# Altium PCB WL-MAIN_V1.PcbDoc (part 3 of 3)
Units mm, origin at the board's own origin, x right, y up, seen from the top; angles counter-clockwise.
Board outline 144 x 83.65 mm, 4 copper layers (Top Layer, Layer 1, Layer 2, Bottom Layer), stack 1.57 mm thick; 368 components, 306 nets, 1425 pads, 343 vias.
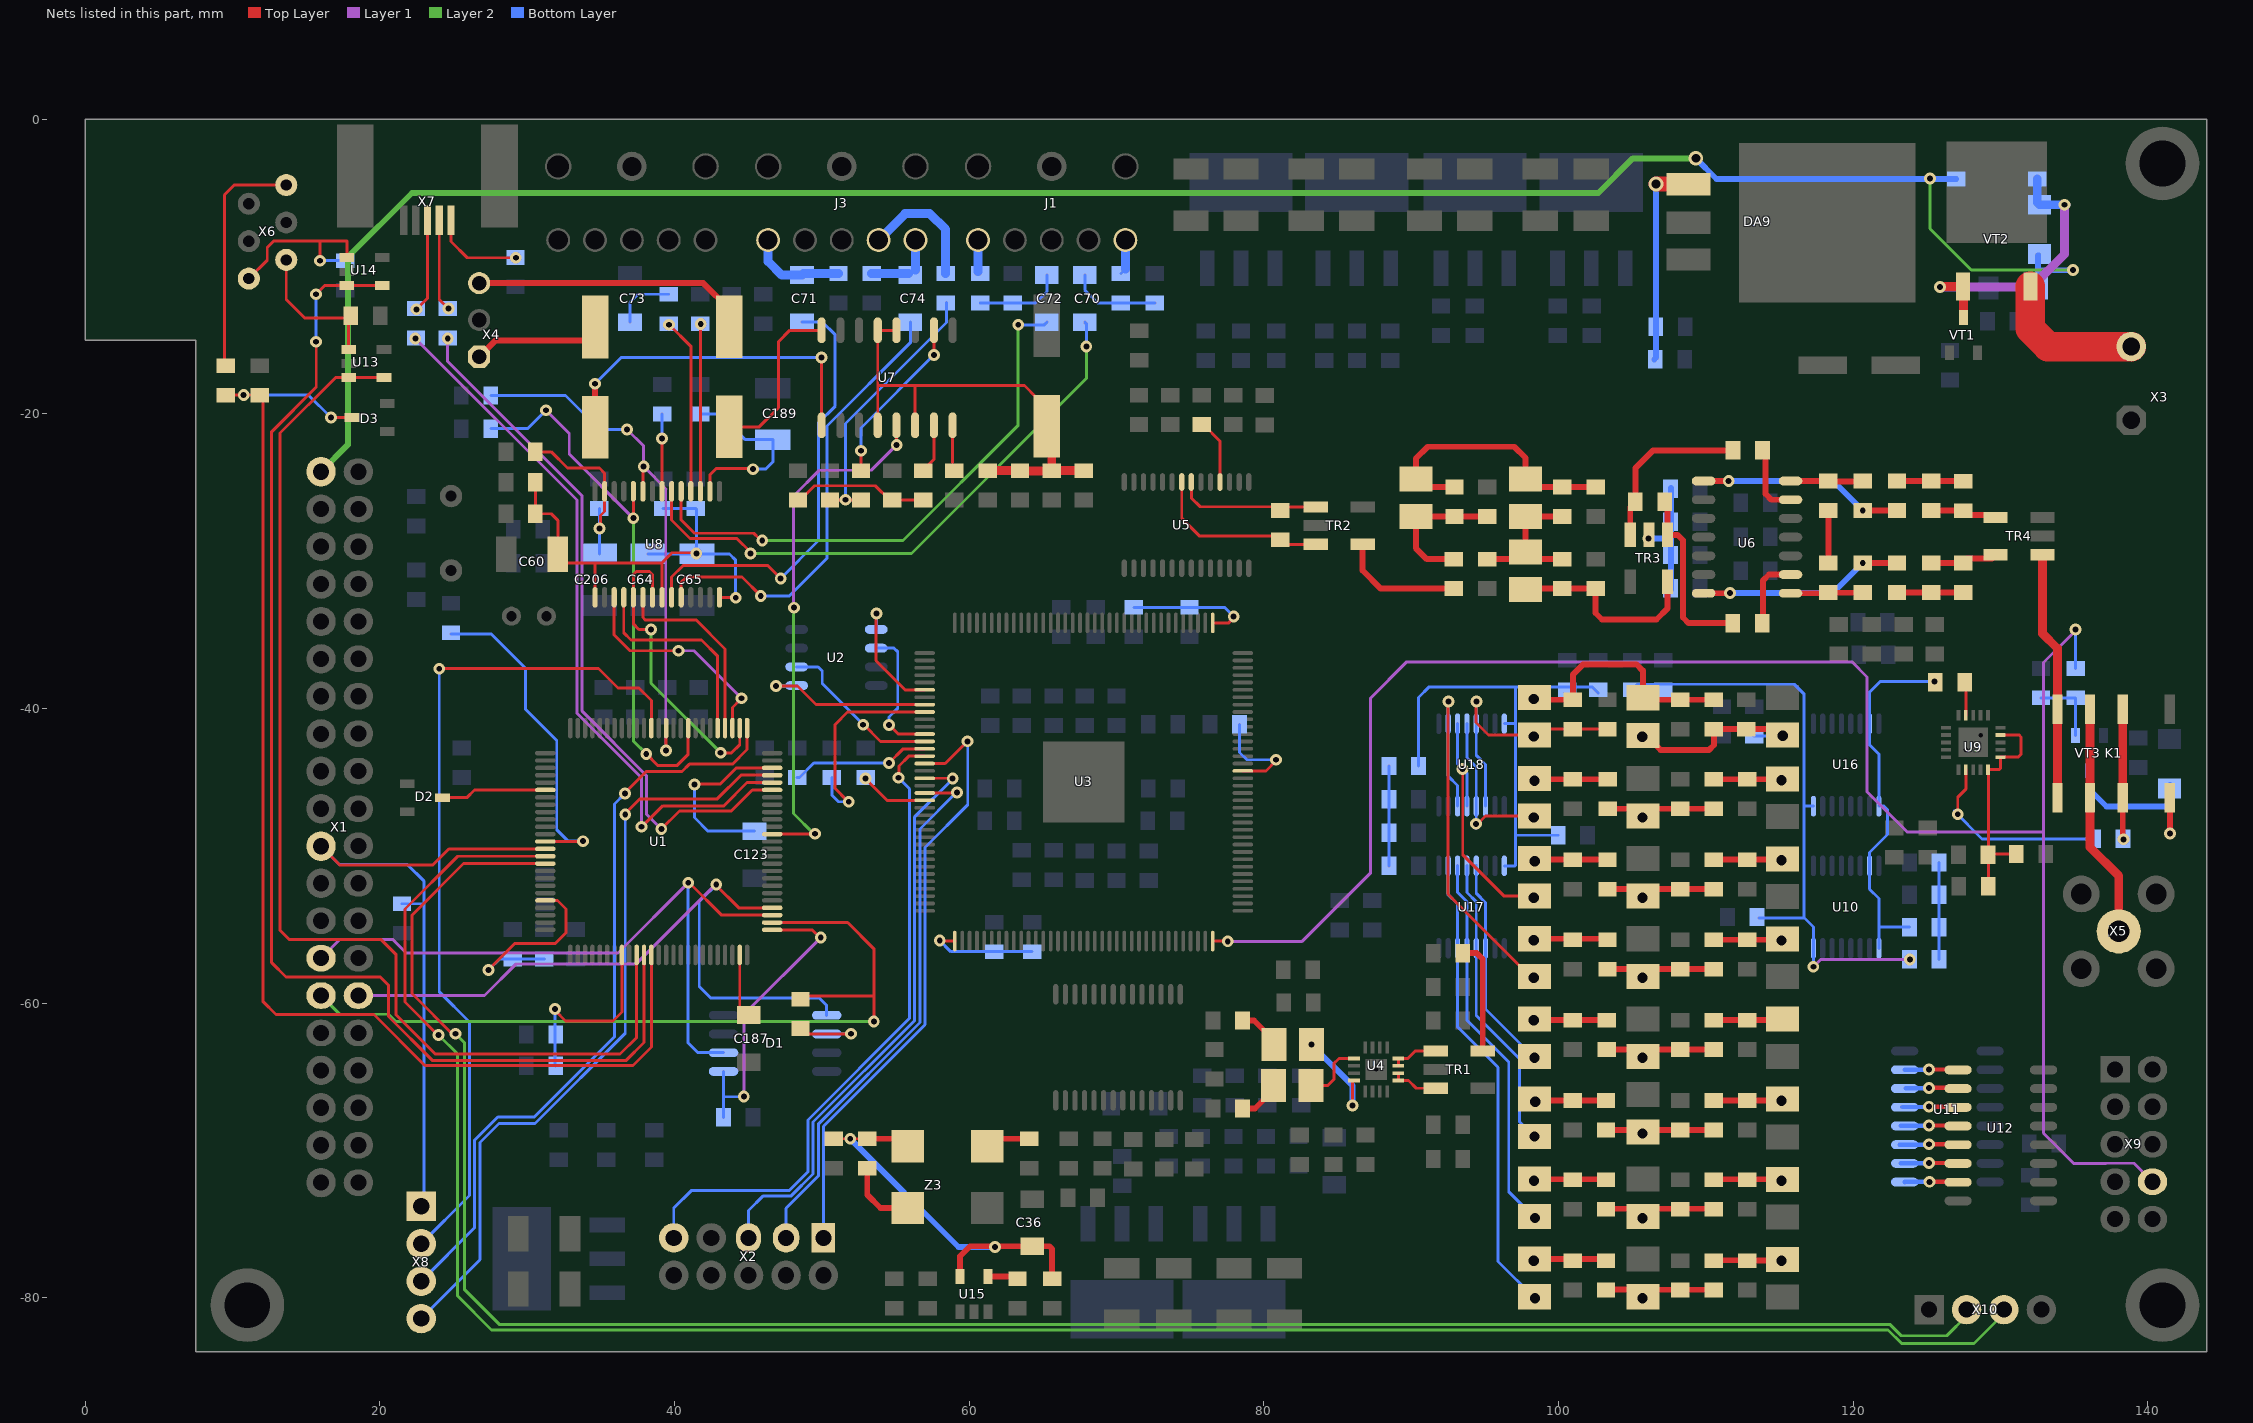
[diagram p5: the nets of this part, all layers, seen from the top]

## Via types
v1: diameter 0.8, hole 0.4, Top Layer to Bottom Layer, tented both sides, 265 vias
v2: diameter 1.3, hole 0.7, Top Layer to Bottom Layer, 23 vias
v3: diameter 1, hole 0.7, Top Layer to Bottom Layer, 17 vias
v4: diameter 0.5, hole 0.2, Top Layer to Bottom Layer, 16 vias
v5: diameter 1, hole 0.6, Top Layer to Bottom Layer, tented both sides, 9 vias
v6: diameter 1.2, hole 0.7, Top Layer to Bottom Layer, 6 vias
v7: diameter 3.4, hole 3.4, Top Layer to Bottom Layer, 2 vias
v8: diameter 2, hole 1, Top Layer to Bottom Layer, tented both sides, 2 vias
v9: diameter 4, hole 2.5, Top Layer to Bottom Layer, 1 vias
v10: diameter 0.7, hole 0.4, Top Layer to Bottom Layer, tented both sides, 1 vias
v11: diameter 1.2, hole 0.6, Top Layer to Bottom Layer, tented both sides, 1 vias

## Nets (pads, with @x,y where several pads share a name; then routed paths per layer and width w, separated by ;. In a path a pad name is that pad's centre, name@x,y a point inside that pad or via, vN(x,y) a via of type N, cw(c..) or ccw(c..) an arc to the next point about the centre after c; other vN are vias at no path point) (continued)
NetC35_1: C35.1 U15.4 | length 2.1
  Top Layer w0.4: U15.4@61.275,-78.55 63.125,-78.55 C35.1@63.275,-78.7
NetC36_1: C36.1 C37.1 C117.1 R5.2 U15.5 Z3.4 | length 28.1
  Top Layer w0.2: C37.1@50.8,-69.2 R5.2@53.075,-69.2 ; Z3.4@55.325,-69.2 Z3.4@55.825,-69.7
  Top Layer w0.4: R5.2@53.075,-69.2 Z3.4@55.325,-69.2 ; U15.5@59.375,-78.55 59.375,-77.175 60.05,-76.5 C36.1@64.275,-76.5 65.45,-76.5 65.625,-76.675 C117.1@65.625,-78.7
  Bottom Layer w0.4: v1(51.925,-69.2) 59.275,-76.55 v1@61.725,-76.55
  other v1: 61.75,-76.55
NetC38_1: C38.1 C120.2 C121.2 L5.1 | length 9.9
  Top Layer w0.4: C120.2@92.893,-29.858 91.068,-29.858 90.318,-29.108 L5.1@90.318,-26.975 90.335,-26.958 C38.1@92.943,-26.958 C121.2@95.168,-26.958
NetC38_2: C38.2 C39.2 C40.1 L5.2 L6.1 | length 18.7
  Top Layer w0.4: C38.2@92.943,-24.958 90.851,-24.958 L5.2@90.318,-24.425 90.318,-23.032 91.125,-22.225 97,-22.225 97.768,-22.993 L6.1@97.768,-24.408 98.318,-24.958 C40.1@100.243,-24.958 C39.2@102.518,-24.958
NetC40_2: C40.2 C42.2 C43.1 L6.2 L7.1 | length 10
  Top Layer w0.4: C42.2@95.168,-29.858 C43.1@100.243,-29.858 ; L7.1@97.768,-29.358 L6.2@97.768,-26.958 C40.2@100.243,-26.958
NetC41_1: C41.1 R19.1 | length 3.6
  Top Layer w0.4: R19.1@118.325,-30.14 C41.1@118.325,-26.59
NetC41_2: C41.2 R21.1 U6.7 | length 5
  Top Layer w0.4: U6.7@115.75,-24.555 118.29,-24.555 118.325,-24.59 R21.1@120.75,-24.59
NetC43_2: C43.2 C44.2 L7.2 TR3.4 | length 14.3
  Top Layer w0.4: L7.2@98.248,-32.388 L7.2@97.768,-31.908 97.818,-31.858 C43.2@100.243,-31.858 C44.2@102.518,-31.858 102.518,-33.518 102.95,-33.95 106.65,-33.95 107.408,-33.192 TR3.4@107.408,-31.388
NetC45_1: C45.1 C46.1 R22.2 | length 4.5
  Top Layer w0.4: R22.2@122.975,-32.125 C46.1@125.3,-32.125 C45.1@127.475,-32.125
NetC45_2: C45.2 C46.2 TR4.4 | length 4.6
  Top Layer w0.4: C46.2@125.3,-30.125 C45.2@127.475,-30.125 127.775,-29.825 129.41,-29.825 TR4.4@129.67,-29.565
NetC47_1: C47.1 C48.1 R58.2 | length 4.5
  Top Layer w0.4: R58.2@122.975,-24.55 C47.1@125.3,-24.55 127.45,-24.55 C48.1@127.475,-24.575
NetC47_2: C47.2 C48.2 TR4.6 | length 4.6
  Top Layer w0.4: C47.2@125.3,-26.55 127.45,-26.55 C48.2@127.475,-26.575 127.75,-26.85 129.495,-26.85 TR4.6@129.67,-27.025
NetC49_2: C49.2 C50.2 R24.2 R25.1 TR3.2 | length 8.4
  Bottom Layer w0.2: 107.642,-28.458 107.65,-28.45
  Bottom Layer w0.4: v1(106.118,-28.458) 107.642,-28.458 ; C49.2@107.65,-31.908 107.65,-29.617 107.65,-28.45 107.65,-27.325 R25.1@107.65,-25.033
NetC51_1: C51.1 C53.1 R28.2 | length 9.3
  Top Layer w0.2: R28.2@48.375,-25.85 48.525,-25.85 49.5,-24.875 53.625,-24.875 54.6,-25.85 C51.1@54.762,-25.85 C53.1@56.869,-25.85
NetC52_2: C52.2 C54.1 R27.2 | length 18.2
  Top Layer w0.2: C52.2@50.55,-25.85 C54.1@52.656,-25.85
  Bottom Layer w0.2: v1@51.6,-25.7 51.6,-20.65 58.45,-13.8 R27.2@58.45,-12.45
  other v1: 51.6,-25.825
NetC53_2: C53.2 U7.7 | length 3
  Top Layer w0.2: C53.2@57.125,-23.575 57.6,-23.1 U7.7@57.6,-20.775
NetC54_2: C54.2 U7.10 | length 11.5
  Top Layer w0.2: C54.2@52.656,-23.85 v1@52.656,-22.731 ; v1@57.6,-16.175 v1(57.6,-16) U7.10@57.6,-14.325
  Bottom Layer w0.2: v1(52.65,-22.5) 52.65,-20.95 v1(57.6,-16)
NetC55_1: C55.1 U7.8 | length 2.5
  Top Layer w0.2: U7.8@58.87,-20.775 58.87,-23.295 58.875,-23.3
NetC56_1: C56.1 C57.1 C58.1 C59.1 FB4.1 U7.4 U7.6 U7.12 U7.13 | length 31.3
  Top Layer w0.2: U7.4@53.79,-20.775 53.79,-18.075 ; U7.12@55.06,-14.325 U7.13@53.79,-14.325 53.79,-18.075 ; U7.6@56.33,-20.775 56.33,-18.075 ; C56.1@64.575,-18.9 63.75,-18.075 56.33,-18.075 ; 53.79,-18.075 56.33,-18.075
  Top Layer w0.6: C57.1@61.25,-23.85 C58.1@63.45,-23.85 63.475,-23.875 65.6,-23.875 C59.1@65.6,-23.85 C59.1@65.6,-23.75 ; C56.1@65.25,-20.825 65.6,-21.175 C59.1@65.6,-23.75 ; FB4.1@67.775,-23.85 65.7,-23.85 C59.1@65.6,-23.75
NetC60_1: C60.1 C61.1 C64.1 C65.1 C66.1 C205.1 FB5.1 U8.1 U8.8 U8.14 | length 35.1
  Top Layer w0.2: FB5.1@30.55,-24.65 C61.1@30.55,-26.775 31.625,-26.775 32.075,-27.225 C60.1@32.075,-29.525 ; C60.1@32.35,-30.125 39.125,-30.125 ; U8.1@34.6,-32.45 34.6,-30.2 ; U8.8@39.15,-32.45 39.15,-30.15 39.125,-30.125 ; v1(41.475,-29.475) 41.475,-29.425 39.825,-29.425 39.125,-30.125 ; U8.14@43.05,-32.45 v1@43.975,-32.45
  Bottom Layer w0.2: C64.1@38.2,-29.5 C65.1@41.525,-29.5 ; C66.1@39.225,-26.425 C205.1@41.45,-26.425 41.475,-26.45 C65.1@41.475,-29.45 ; v1(41.475,-29.475) C65.1@41.475,-29.45 ; v1(44.15,-32.475) 44.15,-29.925 43.725,-29.5 C65.1@41.525,-29.5 ; C65.1@41.475,-29.45 C65.1@41.525,-29.5
NetC62_1: C62.1 U7.1 | length 23.6
  Top Layer w0.2: U7.1@49.98,-20.775 v1@49.98,-16.175
  Top Layer w0.4: C62.1@34.6,-20.9 v1(34.6,-17.95)
  Bottom Layer w0.2: v1(34.6,-17.95) 36.375,-16.175 v1@49.925,-16.175
  other v1: 49.975,-16.175
NetC62_2: C62.2 X4.1 | length 9.2
  Top Layer w0.2: C62.2@34.6,-15.025 C62.2@34.6,-14.1
  Top Layer w0.4: X4.1@26.737,-16.122 27.834,-15.025 C62.2@34.6,-15.025
NetC63_1: C63.1 U7.16 | length 11.6
  Top Layer w0.2: C63.1@43.725,-20.875 45.75,-20.875 47.05,-19.575 47.05,-15.1 47.825,-14.325 U7.16@49.98,-14.325
NetC63_2: C63.2 X4.3 | length 18.9
  Top Layer w0.4: X4.3@26.737,-11.122 41.947,-11.122 43.725,-12.9 C63.2@43.725,-14.075
NetC69_1: C69.1 C206.1 FB6.1 U8.27 | length 12.3
  Top Layer w0.2: FB6.1@30.55,-22.575 31.625,-22.575 32.725,-23.675 34.9,-23.675 35.25,-24.025 U8.27@35.25,-25.25 35.25,-26.625 34.975,-26.9 v1@34.975,-27.85
  Bottom Layer w0.2: C206.1@34.9,-29.5 C69.1@34.9,-26.425
  other v1: 34.9,-27.775
NetC70_1: C70.1 U8.20 | length 39.8
  Top Layer w0.2: U8.20@39.8,-25.25 39.8,-27.2 41.05,-28.45 44.225,-28.45 v1@45.15,-29.375
  Layer 2 w0.2: v1(45.15,-29.475) 56.075,-29.475 67.95,-17.6 v1(67.95,-15.425)
  Bottom Layer w0.2: C70.1@67.85,-13.775 67.95,-13.875 v1(67.95,-15.425)
NetC70_2: C70.2 R33.2 R37.1 | length 6.1
  Bottom Layer w0.2: C70.2@67.85,-10.575 67.85,-11.6 68.725,-12.475 R37.1@70.3,-12.475 R33.2@72.6,-12.475
NetC71_1: C71.1 U8.9 | length 30.2
  Top Layer w0.2: U8.9@39.8,-32.45 39.8,-31.075 40.6,-30.275 46.3,-30.275 v1(47.2,-31.175)
  Bottom Layer w0.2: v1(47.2,-31.175) 49.775,-28.6 49.775,-20.6 50.9,-19.475 50.9,-14.625 50.05,-13.775 C71.1@48.65,-13.775
NetC71_2: C71.2 J3.5 R62.2 | length 6.6
  Bottom Layer w0.6: J3.5@46.35,-8.2 46.35,-9.65 47.275,-10.575 C71.2@48.65,-10.575 48.75,-10.475 R62.2@51.125,-10.475
NetC72_1: C72.1 U8.19 | length 37.5
  Top Layer w0.2: U8.19@40.45,-25.25 40.45,-27.2 41.35,-28.1 45.375,-28.1 45.725,-28.45 v1@45.725,-28.75
  Layer 2 w0.2: v1(45.95,-28.6) 55.5,-28.6 63.325,-20.775 v1(63.325,-13.95)
  Bottom Layer w0.2: v1(63.325,-13.95) 65.1,-13.95 C72.1@65.275,-13.775
NetC72_2: C72.2 R32.2 R38.1 | length 6
  Bottom Layer w0.2: R38.1@60.75,-12.475 R32.2@62.95,-12.475 64.5,-12.475 65.275,-11.7 C72.2@65.275,-10.575
NetC73_1: C73.1 R30.2 | length 4.2
  Bottom Layer w0.2: C73.1@36.975,-13.775 36.975,-12.425 37.525,-11.875 R30.2@39.6,-11.875
NetC74_1: C74.1 U8.10 | length 31
  Top Layer w0.2: U8.10@40.45,-32.45 40.45,-31.425 40.8,-31.075 44.575,-31.075 v1(45.85,-32.35)
  Bottom Layer w0.2: v1(45.85,-32.35) 47.8,-32.35 50.35,-29.8 50.35,-20.825 56,-15.175 C74.1@56,-13.775
NetC74_2: C74.2 J3.2 R36.2 | length 5.2
  Bottom Layer w0.2: C74.2@55.9,-10.475 C74.2@56,-10.575 C74.2@56.35,-10.225
  Bottom Layer w0.6: R36.2@53.375,-10.475 C74.2@55.9,-10.475 ; C74.2@56.35,-10.225 J3.2@56.35,-8.2
NetC76_1: C76.1 K1.2 K1.7 | length 8.8
  Top Layer w0.4: v1@138.3,-48.85 K1.7@138.3,-46.05
  Top Layer w0.6: K1.7@138.3,-46.05 K1.2@138.3,-40.05
  other v1: 138.35,-48.875
NetC76_2: C76.2 U9.2 | length 13.5
  Top Layer w0.2: v1(127.1,-47.175) 127.1,-46.025 127.65,-45.475 U9.2@127.65,-44.15
  Bottom Layer w0.2: v1@126.862,-46.962 128.75,-48.85 C76.2@136.325,-48.85
NetC77_2: C77.2 C78.2 FB7.1 U9.5 U9.6 U9.9 | length 15.6
  Top Layer w0.2: FB7.1@129.175,-52.075 C78.2@129.175,-49.925 ; U9.9@130,-41.8 131.275,-41.8 131.4,-41.925 131.4,-43.1 131.2,-43.3 U9.6@130,-43.3 130,-44.05 129.9,-44.15 U9.5@129.15,-44.15 129.175,-44.175 C78.2@129.175,-49.925 ; C77.2@131.075,-49.875 129.225,-49.875 C78.2@129.175,-49.925
NetC120_1: C120.1 TR2.6 | length 8.5
  Top Layer w0.4: TR2.6@86.705,-28.85 86.705,-30.63 87.933,-31.858 C120.1@92.893,-31.858
NetC123_1: C123.1 U1.73 | length 12.3
  Top Layer w0.2: v1@41.45,-45.125 43.1,-45.125 44.2,-44.025 U1.73@46.625,-44.025
  Bottom Layer w0.2: v1(41.35,-45.15) 41.35,-47.4 42.275,-48.325 C123.1@45.425,-48.325
NetC134_2: C134.2 R44.2 R45.2 R46.2 | length 6.6
  Bottom Layer w0.2: R46.2@125.825,-57.025 R44.2@125.825,-54.833 C134.2@125.825,-52.642 R45.2@125.825,-50.45
NetC135_1: C135.1 FB12.1 U1.21 | length 13.5
  Top Layer w0.2: v1@27.5,-57.6 29.15,-55.95 31.9,-55.95 32.625,-55.225 32.625,-53.6 32.05,-53.025 U1.21@31.225,-53.025
  Bottom Layer w0.2: v1(27.375,-57.75) 28.125,-57 C135.1@29.025,-57 FB12.1@31.162,-57
NetC136_1: C136.1 C183.1 FB9.1 R46.1 U10.16 U16.16 | length 41.4
  Layer 1 w0.2: v1(117.3,-57.525) 117.8,-57.025 v1(123.85,-57.025)
  Bottom Layer w0.2: FB9.1@105,-38.725 105.375,-38.35 116,-38.35 116.675,-39.025 116.675,-46.65 ; C136.1@113.6,-54.225 116.625,-54.225 116.662,-54.187 117.303,-54.828 U10.16@117.303,-56.275 v1@117.303,-57.597 ; 116.675,-54.175 116.675,-46.65 ; U16.16@117.303,-46.625 116.7,-46.625 116.675,-46.65
NetC137_1: C137.1 C138.1 FB10.1 R47.1 U17.16 U18.16 | length 33.8
  Bottom Layer w0.2: R47.1@90.5,-43.9 90.5,-39.25 91.225,-38.525 102.275,-38.525 FB10.1@102.7,-38.95 ; U17.16@96.322,-50.675 97.05,-50.675 97.075,-50.65 97.075,-48.625 ; U18.16@96.322,-41.025 97.075,-41.025 ; 97.075,-38.575 97.075,-41.025 ; C138.1@99.975,-48.6 97.1,-48.6 97.075,-48.625 ; 97.075,-48.625 97.075,-41.025
NetC139_2: C139.2 R47.2 R48.2 R49.2 | length 6.8
  Bottom Layer w0.2: R49.2@88.5,-50.675 R48.2@88.5,-48.417 C139.2@88.5,-46.158 R47.2@88.5,-43.9
NetC144_1: C144.1 C184.2 L8.2 | length 4.6
  Top Layer w0.4: C144.1@110.55,-71.95 112.725,-71.95 L8.2@115.188,-71.95
  other v2: 115.143,-72.055
NetC144_2: C144.2 C148.2 C152.1 L12.2 | length 7.8
  Top Layer w0.4: C152.1@103.225,-73.95 105.212,-73.95 L12.2@105.75,-74.488 106.288,-73.95 108.275,-73.95 C144.2@110.55,-73.95
  other v2: 105.7,-74.588
NetC145_1: C145.1 C193.2 L9.2 | length 4.7
  Top Layer w0.4: C145.1@110.55,-61.15 C193.2@112.8,-61.15 115.123,-61.15 L9.2@115.193,-61.08
NetC145_2: C145.2 C149.2 C153.1 L13.2 | length 7.3
  Top Layer w0.4: C153.1@103.275,-63.15 C149.2@108.275,-63.15 C145.2@110.55,-63.15
  other v2: 105.7,-63.713
NetC146_1: C146.1 C194.2 L10.2 | length 4.6
  Top Layer w0.4: C146.1@110.55,-77.45 112.7,-77.45 112.725,-77.475 L10.2@115.11,-77.475
  other v2: 115.143,-77.492
NetC146_2: C146.2 C150.2 C154.1 L14.2 | length 7.7
  Top Layer w0.4: C154.1@103.225,-79.425 105.25,-79.425 L14.2@105.75,-79.925 106.225,-79.45 C146.2@110.55,-79.45
  other v2: 105.7,-80.025
NetC147_1: C147.1 C195.2 L11.2 | length 4.7
  Top Layer w0.4: C147.1@110.55,-66.6 112.725,-66.6 115.043,-66.6 L11.2@115.193,-66.45
  other v2: 115.143,-66.617
NetC147_2: C147.2 C151.2 C155.1 L15.2 | length 7.4
  Top Layer w0.4: C155.1@103.225,-68.6 105.6,-68.6 L15.2@105.75,-68.75 105.9,-68.6 C151.2@108.275,-68.6 C147.2@110.55,-68.6
  other v2: 105.7,-68.85
NetC152_2: C152.2 C156.2 L16.1 | length 4.9
  Top Layer w0.4: L16.1@98.375,-71.937 98.387,-71.95 100.975,-71.95 C152.2@103.225,-71.95
  other v2: 98.337,-72.05
NetC153_2: C153.2 C157.2 L17.1 | length 4.9
  Top Layer w0.4: L17.1@98.375,-61.062 98.462,-61.15 C157.2@100.975,-61.15 C153.2@103.275,-61.15
  other v2: 98.325,-61.162
NetC154_2: C154.2 C158.2 L18.1 | length 4.9
  Top Layer w0.4: L18.1@98.375,-77.375 103.175,-77.375 C154.2@103.225,-77.425
  other v2: 98.325,-77.475
NetC155_2: C155.2 C159.2 L19.1 | length 4.9
  Top Layer w0.4: L19.1@98.375,-66.5 98.475,-66.6 C159.2@100.975,-66.6 C155.2@103.225,-66.6
  other v2: 98.425,-66.7
NetC160_2: C160.2 C171.2 L20.1 | length 5
  Top Layer w0.4: L20.1@98.375,-44.75 98.425,-44.8 C160.2@100.975,-44.8 C171.2@103.35,-44.8
  other v3: 98.375,-44.9
NetC161_2: C161.2 C164.1 L21.2 | length 4.7
  Top Layer w0.4: C164.1@110.55,-50.258 C161.2@112.8,-50.258 115.139,-50.258 L21.2@115.193,-50.205
  other v3: 115.143,-50.305
NetC162_2: C162.2 C165.1 L22.2 | length 4.7
  Top Layer w0.4: C165.1@110.55,-44.8 C162.2@112.8,-44.8 115.16,-44.8 L22.2@115.193,-44.767
  other v3: 115.143,-44.867
NetC164_2: C164.2 C167.2 C170.1 L30.2 | length 7.2
  Top Layer w0.4: C170.1@103.325,-52.258 C167.2@108.275,-52.258 C164.2@110.55,-52.258
  other v3: 105.7,-52.838
NetC165_2: C165.2 C168.2 C171.1 L25.2 | length 7.2
  Top Layer w0.4: C171.1@103.35,-46.8 C168.2@108.275,-46.8 C165.2@110.55,-46.8
  other v3: 105.7,-47.4
NetC166_2: C166.2 C178.2 C179.1 L24.1 L29.2 | length 13.2
  Top Layer w0.4: L24.1@105.725,-41.817 105.942,-41.817 106.925,-42.8 110.225,-42.8 110.55,-42.475 C179.1@110.55,-41.4 C178.2@112.75,-41.4 114.8,-41.4 L29.2@115.2,-41.8
  Bottom Layer w0.2: C166.2@113.275,-41.875 115.2,-41.875 v3(115.225,-41.85)
  other v3: 105.675,-41.917
NetC169_2: C169.2 C172.1 C177.2 L26.2 | length 7.2
  Top Layer w0.4: C172.1@103.325,-57.692 C169.2@108.275,-57.692 C177.2@110.55,-57.692
  other v6: 105.7,-58.275
NetC170_2: C170.2 C173.2 L27.1 | length 5
  Top Layer w0.4: L27.1@98.375,-50.187 98.446,-50.258 C173.2@100.975,-50.258 C170.2@103.325,-50.258
  other v3: 98.396,-50.358
NetC172_2: C172.2 C174.2 L28.1 | length 5
  Top Layer w0.4: L28.1@98.375,-55.625 103.258,-55.625 C172.2@103.325,-55.692
  other v6: 98.325,-55.725
NetC176_2: C176.2 C177.1 L23.2 | length 4.7
  Top Layer w0.4: C177.1@110.55,-55.692 C176.2@112.8,-55.692 115.143,-55.692 L23.2@115.193,-55.642
  other v6: 115.143,-55.742
NetC179_2: C179.2 C180.2 C181.1 L24.2 L31.1 | length 16.3
  Top Layer w0.4: L31.1@98.375,-39.25 98.525,-39.4 C181.1@100.975,-39.4 100.975,-37.7 101.675,-37 105.3,-37 105.725,-37.425 L24.2@105.725,-39.267 105.858,-39.4 C180.2@108.275,-39.4 C179.2@110.55,-39.4
  other v3: 98.325,-39.35
NetC187_1: C187.1 U1.49 | length 3.8
  Top Layer w0.2: C187.1@44.425,-60.575 U1.49@44.425,-56.725
NetC189_1: C189.1 C190.1 U8.16 | length 12.9
  Top Layer w0.2: U8.16@42.4,-25.25 42.4,-24.125 42.825,-23.7 v1@45.275,-23.7
  Bottom Layer w0.2: C190.1@41.742,-20 43.05,-20 44.8,-21.75 C189.1@46.675,-21.75 46.675,-23.25 46.175,-23.75 v1(45.325,-23.75)
NetC191_1: C191.1 TR1.4 | length 7.8
  Top Layer w0.4: C191.1@93.5,-56.6 94.45,-56.6 94.855,-57.005 TR1.4@94.855,-63.235
NetC192_1: C192.1 U9.14 | length 2.3
  Top Layer w0.2: C192.1@127.575,-38.225 127.65,-38.3 U9.14@127.65,-40.45
NetC192_2: C192.2 R44.1 U10.7 U10.9 U16.7 U16.9 | length 25.7
  Bottom Layer w0.2: U10.9@121.748,-56.275 121.748,-54.85 ; R44.1@123.825,-54.833 121.764,-54.833 121.748,-54.85 ; v1(125.525,-38.175) 121.825,-38.175 121.113,-38.887 U16.7@121.113,-41.025 121.113,-42.463 121.748,-43.098 U16.9@121.748,-46.625 122.1,-46.625 122.325,-46.85 122.325,-48.55 121.113,-49.762 U10.7@121.113,-50.675 121.113,-52.263 121.748,-52.898 121.748,-54.85
NetC201_1: C201.1 X7.1 | length 6.3
  Top Layer w0.2: X7.1@24.825,-6.85 24.825,-8.3 25.925,-9.4 v1(29.225,-9.4)
NetC203_2: C203.2 FB13.1 U3.37 | length 7.6
  Top Layer w0.2: v1@57.968,-55.782 U3.37@59.025,-55.782
  Bottom Layer w0.2: v1(58,-55.75) 58.75,-56.5 C203.2@61.7,-56.5 FB13.1@64.275,-56.5
NetC204_2: C204.2 FB14.1 U3.109 | length 8.6
  Top Layer w0.2: U3.109@76.525,-34.182 77.618,-34.182 v1@77.975,-33.825
  Bottom Layer w0.2: FB14.1@71.175,-33.125 C204.2@74.95,-33.125 77.325,-33.125 v1(77.95,-33.75)
NetD1_6: D1.6 R2.1 | length 5.3
  Top Layer w0.2: R2.1@48.55,-61.5 49.15,-62.1 v1@51.95,-62.1
  Bottom Layer w0.2: D1.6@50.325,-62.09 50.34,-62.075 v1(51.975,-62.075)
NetD2_3: D2.3 U1.6 | length 7.2
  Top Layer w0.2: D2.3@24.25,-46.05 25.9,-46.05 26.425,-45.525 U1.6@31.225,-45.525
NetDA9_3: DA9.3 R23.2 R43.2 | length 14.2
  Top Layer w0.2: DA9.3@108.785,-4.4 108.81,-4.425 DA9.3@108.825,-4.41
  Top Layer w1: v5(106.625,-4.4) DA9.3@108.785,-4.4
  Bottom Layer w0.4: R23.2@106.5,-16.3 106.625,-16.175 v5(106.625,-4.4)
NetJ1_2: J1.2 R37.2 | length 2.4
  Bottom Layer w0.2: R37.2@70.3,-10.475 R37.2@70.6,-10.175
  Bottom Layer w0.6: R37.2@70.6,-10.175 J1.2@70.6,-8.2
NetJ1_5: J1.5 R38.2 | length 2.3
  Bottom Layer w0.2: R38.2@60.6,-10.325 R38.2@60.75,-10.475
  Bottom Layer w0.6: R38.2@60.6,-10.325 J1.5@60.6,-8.2
NetK1_3: K1.3 K1.6 X5.1 | length 15.9
  Top Layer w0.6: K1.3@136.075,-40.05 K1.6@136.075,-46.05 136.075,-49.4 138.025,-51.35 X5.1@138.025,-55.125
NetK1_4: K1.4 K1.5 TR4.3 | length 16.9
  Top Layer w0.6: TR4.3@132.85,-29.565 132.85,-34.9 133.875,-35.925 K1.4@133.875,-40.05 K1.5@133.875,-46.05
NetK1_8: K1.8 VD3.1 VT3.3 | length 12.8
  Top Layer w0.4: v1(141.5,-48.475) K1.8@141.5,-46.05
  Bottom Layer w0.4: VT3.3@136.049,-44.225 136.049,-45.499 137.2,-46.65 141.5,-46.65 ; v1@141.5,-48.375 141.5,-46.65 ; VD3.1@141.5,-45.175 141.5,-46.65
NetL1_1: L1.1 R11.1 | length 3.1
  Top Layer w0.4: R11.1@78.55,-61.175 79.325,-61.175 80.675,-62.525 L1.1@80.675,-62.8 L1.1@80.675,-62.975
NetL1_2: L1.2 U4.8 | length 7.1
  Top Layer w0.2: v1(86.025,-66.95) 86.025,-65.35 U4.8@86.125,-65.25
  Bottom Layer w0.4: v1(83.225,-62.8) 86.025,-65.6 v1(86.025,-66.95)
NetL2_1: L2.1 R12.1 | length 2.9
  Top Layer w0.4: R12.1@78.55,-67.15 79.4,-67.15 80.65,-65.9 L2.1@80.65,-65.6
NetL2_2: L2.2 U4.5 | length 4.3
  Top Layer w0.2: L2.2@83.2,-65.6 84.325,-65.6 84.75,-65.175 84.75,-64.1 85.1,-63.75 U4.5@86.125,-63.75
NetR5_1: R5.1 Z3.1@55.825,-73.9 | length 4.9
  Top Layer w0.4: R5.1@53.075,-71.2 53.075,-73 53.975,-73.9 Z3.1@55.825,-73.9
NetR6_1: R6.1 Z3.3 | length 3
  Top Layer w0.4: Z3.3@61.235,-69.7 61.735,-69.2 R6.1@64.075,-69.2
NetR8_2: R8.2 U1.13 | length 22.5
  Top Layer w0.2: U1.13@31.225,-49.025 v1@33.725,-49.025
  Bottom Layer w0.2: R8.2@24.825,-34.925 27.53,-34.925 29.875,-37.27 29.875,-40.05 32,-42.175 32,-48.225 32.775,-49 v1(33.775,-49)
NetR9_2: R9.2 U3.9 | length 14.5
  Top Layer w0.2: v1@51.725,-46.25 50.9,-45.425 50.9,-41.075 51.743,-40.232 U3.9@56.975,-40.232
  Bottom Layer w0.2: R9.2@50.675,-44.675 50.675,-45.875 51.125,-46.325 v1(51.825,-46.325)
NetR10_2: R10.2 U3.14 | length 9.5
  Top Layer w0.2: v1(54.55,-43.7) 55.518,-42.732 U3.14@56.975,-42.732
  Bottom Layer w0.2: R10.2@48.325,-44.675 48.475,-44.675 49.45,-43.7 v1(54.55,-43.7)
NetR15_2: R15.2 U5.18 | length 4.5
  Top Layer w0.2: R15.2@75.792,-20.725 75.9,-20.725 77.025,-21.85 U5.18@77.025,-24.625
NetR18_2: R18.2 U6.6 | length 4.7
  Top Layer w0.4: R18.2@114.05,-22.55 114.05,-25.425 114.45,-25.825 U6.6@115.75,-25.825
NetR19_2: R19.2 R20.1 U6.1 | length 5
  Top Layer w0.4: U6.1@115.75,-32.175 118.29,-32.175 118.325,-32.14 R20.1@120.75,-32.14
NetR20_2: R20.2 R22.1 U6.14 | length 14
  Top Layer w0.4: U6.14@109.85,-32.175 v1@111.65,-32.175 ; v1(120.65,-30.125) R22.1@122.975,-30.125
  Bottom Layer w0.4: v1(111.65,-32.15) 118.625,-32.15 v1(120.65,-30.125)
NetR21_2: R21.2 R58.1 U6.8 | length 13.7
  Top Layer w0.4: U6.8@109.85,-24.555 v1@111.33,-24.555 ; v1(120.65,-26.55) R58.1@122.975,-26.55
  Bottom Layer w0.4: v1(111.55,-24.55) 118.65,-24.55 v1(120.65,-26.55)
NetR29_1: R29.1 U8.21 | length 5.2
  Top Layer w0.2: U8.21@39.15,-25.25 v1(39.15,-21.675)
  Bottom Layer w0.2: v1(39.15,-21.675) R29.1@39.15,-20
NetR30_1: R30.1 U8.18 | length 11.9
  Top Layer w0.2: v1@39.625,-13.925 41.1,-15.4 U8.18@41.1,-25.25
  other v1: 39.625,-13.95
NetR31_1: R31.1 U8.17 | length 11.2
  Top Layer w0.2: U8.17@41.75,-25.25 v1@41.75,-14.1
  other v1: 41.775,-13.9
NetR39_1: R39.1 R53.2 VT3.1 | length 4.9
  Bottom Layer w0.2: R53.2@132.75,-39.275 R39.1@135.1,-39.275 135.099,-39.276 VT3.1@135.099,-41.825
NetR51_1: R51.1 VD2.1 VT1.3 VT2.1 | length 20
  Top Layer w0.2: VT2.1@127.47,-11.341 VT2.1@127.5,-11.371
  Top Layer w0.6: v1@125.884,-11.341 VT2.1@127.47,-11.341 ; VT1.3@127.5,-13.45 VT2.1@127.5,-11.371
  Layer 1 w0.6: v1(125.9,-11.375) 132.125,-11.375 134.35,-9.15 v1(134.35,-5.8)
  Bottom Layer w0.6: R51.1@132.5,-4.05 132.5,-5.65 VD2.1@132.65,-5.8 v1@134.45,-5.8
NetR54_1: R54.1 TR2.1 U5.22 | length 12.3
  Top Layer w0.2: U5.22@74.425,-24.625 74.425,-27.075 75.65,-28.3 80.875,-28.3 R54.1@81.125,-28.55 81.425,-28.85 TR2.1@83.525,-28.85
NetR54_2: R54.2 TR2.3 U5.21 | length 10
  Top Layer w0.2: U5.21@75.075,-24.625 75.075,-25.7 75.675,-26.3 80.875,-26.3 R54.2@81.125,-26.55 81.365,-26.31 TR2.3@83.525,-26.31
NetR55_1: R55.1 X7.3 | length 6.4
  Top Layer w0.2: v1(22.475,-12.9) 23.225,-12.15 X7.3@23.225,-6.85
NetR56_1: R56.1 X7.2 | length 6.3
  Top Layer w0.2: X7.2@24.025,-6.85 24.025,-12.225 v1(24.65,-12.85)
NetR57_2: R57.2 U6.2 | length 4.7
  Top Layer w0.4: R57.2@113.875,-33.975 113.875,-31.325 114.295,-30.905 U6.2@115.75,-30.905
NetR59_2: R59.2 U3.21 | length 4.6
  Top Layer w0.2: v1(52.95,-44.75) 54.432,-46.232 U3.21@56.975,-46.232
NetR60_2: R60.2 U3.92 | length 7.1
  Top Layer w0.2: U3.92@78.575,-44.232 80.143,-44.232 v1@80.825,-43.55
  Bottom Layer w0.2: R60.2@78.35,-41.075 78.35,-42.975 78.85,-43.475 v1(80.825,-43.475)
NetTR1_1: TR1.1 U4.13 U4.14 | length 3.3
  Top Layer w0.2: U4.14@89.125,-64.75 U4.13@89.125,-65.25 89.825,-65.25 90.35,-65.775 TR1.1@91.675,-65.775
NetTR1_3: TR1.3 U4.15 U4.16 | length 3.3
  Top Layer w0.2: U4.15@89.125,-64.25 U4.16@89.125,-63.75 89.775,-63.75 90.29,-63.235 TR1.3@91.675,-63.235
NetU1_64: U1.64 U7.5 | length 36.4
  Top Layer w0.2: U1.64@46.625,-48.525 v1@49.6,-48.525 ; U7.5@55.06,-20.775 55.075,-20.79 v1(55.075,-22.1)
  Layer 1 w0.2: v1@48.075,-33.1 48.075,-25.575 49.825,-23.825 53.35,-23.825 v1(55.075,-22.1)
  Layer 2 w0.2: v1@48.075,-33.1 48.075,-47.125 49.45,-48.5 v1(49.525,-48.5) v1@49.625,-48.5
  other v1: 48.1,-33.15
NetU2_1: U2.1 U3.8 | length 12
  Top Layer w0.2: v1@46.95,-38.475 48.35,-38.475 49.607,-39.732 U3.8@56.975,-39.732
  Bottom Layer w0.2: v1(46.875,-38.475) 48.25,-38.475 U2.1@48.285,-38.44
NetU2_2: U2.2 U3.13 | length 11.4
  Top Layer w0.2: v1(52.8,-41.1) 52.8,-41.05 53.982,-42.232 U3.13@56.975,-42.232
  Bottom Layer w0.2: U2.2@48.285,-37.17 49.745,-37.17 50.025,-37.45 50.025,-38.3 52.8,-41.075 v1(52.8,-41.1)
NetU2_5: U2.5 U3.6 | length 8.2
  Top Layer w0.2: v1@53.675,-33.8 53.675,-36.75 55.657,-38.732 U3.6@56.975,-38.732
  Bottom Layer w0.2: U2.5@53.685,-34.63 53.7,-34.615 v1(53.7,-33.55)
NetU2_6: U2.6 U3.12 | length 9.5
  Top Layer w0.2: v1(54.55,-41.125) 54.55,-41.1 55.182,-41.732 U3.12@56.975,-41.732
  Bottom Layer w0.2: U2.6@53.685,-35.9 54.9,-35.9 55.15,-36.15 55.15,-39.975 54.55,-40.575 v1(54.55,-41.125)
NetU11_9: U11.9 U12.7 | length 3.6
  Top Layer w0.3: v1(125.175,-72.125) U12.7@127.121,-72.125
  Bottom Layer w0.3: U11.9@123.5,-72.142 123.517,-72.125 v1(125.175,-72.125)
NetU11_10: U11.10@123.5,-70.872 U12.6 | length 3.7
  Top Layer w0.3: v1(125.15,-70.85) 127.096,-70.85 U12.6@127.125,-70.879
  Bottom Layer w0.3: U11.10@123.225,-70.872 U11.10@123.5,-70.872 v1@124.922,-70.872
NetU11_11: U11.11 U12.5 | length 3.7
  Top Layer w0.3: v1(125.15,-69.575) 127.091,-69.575 U12.5@127.125,-69.609
  Bottom Layer w0.3: U11.11@123.15,-69.597 v1@124.847,-69.597
NetU11_12: U11.12 U12.4 | length 3.7
  Top Layer w0.3: v1(125.15,-68.3) 127.086,-68.3 U12.4@127.125,-68.339
  Bottom Layer w0.3: U11.12@123.225,-68.322 v1@124.922,-68.322
NetU11_13: U11.13 U12.3 | length 3.7
  Top Layer w0.3: v1(125.15,-67.025) 127.081,-67.025 U12.3@127.125,-67.069
  Bottom Layer w0.3: U11.13@123.325,-67.047 v1@125.022,-67.047
NetU11_14: U11.14 U12.2 | length 3.7
  Top Layer w0.3: v1(125.15,-65.75) 127.076,-65.75 U12.2@127.125,-65.799
  Bottom Layer w0.3: U11.14@123.575,-65.772 v1@125.272,-65.772
NetU11_15: U11.15 U12.1 | length 3.7
  Top Layer w0.3: v1(125.15,-64.5) 127.096,-64.5 U12.1@127.125,-64.529
  Bottom Layer w0.3: U11.15@123.5,-64.522 v1@125.197,-64.522
ON/OFF: R52.1 VD1.2 VD2.2 X1.1 | length 146.8
  Layer 2 w0.2: v1(125.225,-4.025) 125.225,-7.425 128.025,-10.225 v1(134.925,-10.225)
  Layer 2 w0.4: X1.1@16,-23.92 17.825,-22.095 17.825,-9.35 22.175,-5 102.7,-5 105.05,-2.65 v5(109.325,-2.65)
  Bottom Layer w0.2: VD2.2@132.55,-9.25 VD2.2@132.65,-9.15
  Bottom Layer w0.4: v5(109.325,-2.65) 110.725,-4.05 R52.1@127,-4.05 ; VD1.2@132.55,-11.45 132.55,-10.25 ; VD2.2@132.55,-9.25 132.55,-10.25 ; v1@134.85,-10.25 132.55,-10.25
OPA_INA: R26.1 R57.1 TR3.3 | length 12.3
  Top Layer w0.4: R26.1@107.218,-25.958 107.408,-26.148 TR3.3@107.408,-28.208 108.083,-28.208 108.45,-28.575 108.45,-33.825 108.825,-34.2 R57.1@111.825,-34.2
OPA_INB: R18.1 R26.2 TR3.1 | length 11.8
  Top Layer w0.4: TR3.1@104.868,-28.208 104.868,-26.308 R26.2@105.218,-25.958 105.218,-23.682 106.425,-22.475 R18.1@111.85,-22.475
OUT_B1: L18.2 U17.6 U17.10 | length 31.8
  Bottom Layer w0.2: U17.10@92.512,-50.65 92.512,-52.637 93.147,-53.272 U17.6@93.147,-56.25 ; U17.6@93.147,-56.275 93.147,-61.597 95.9,-64.35 95.9,-77.525 v2(98.4,-80.025)
OUT_B2: L16.2 U17.5 U17.11 | length 26.1
  Bottom Layer w0.2: U17.11@93.147,-50.65 93.147,-52.472 93.782,-53.107 U17.5@93.782,-56.25 ; U17.5@93.782,-56.275 93.782,-61.158 96.625,-64 96.625,-72.8 v2@98.45,-74.625
  other v2: 98.4,-74.575
OUT_B3: L19.2 U17.4 U17.12 | length 20.3
  Bottom Layer w0.2: U17.12@93.782,-50.65 93.782,-52.482 94.417,-53.117 U17.4@94.417,-56.25 ; U17.4@94.417,-56.275 94.417,-60.842 97.35,-63.775 97.35,-68.05 v2@98.375,-69.075
  other v2: 98.375,-69.05
OUT_B4: L17.2 U17.3 U17.13 | length 14.7
  Bottom Layer w0.2: U17.13@94.417,-50.65 94.417,-52.542 95.052,-53.177 U17.3@95.052,-56.25 ; U17.3@95.052,-56.275 95.052,-60.403 v2@98.375,-63.725
  other v2: 98.375,-63.7
OUT_B5: L28.2 U18.6 U18.10 | length 28.6
  Top Layer w0.2: v1@92.5,-39.525 92.5,-52.6 98.075,-58.175 L28.2@98.375,-58.175
  Bottom Layer w0.2: v1(92.525,-39.525) 92.512,-39.538 U18.10@92.512,-41.025 92.512,-44.587 93.147,-45.222 U18.6@93.147,-46.625
  other v6: 98.325,-58.275
OUT_B6: L27.2 U18.5 U18.11 | length 17.7
  Top Layer w0.2: v1@93.5,-44.1 93.5,-49.925 96.312,-52.738 L27.2@98.375,-52.738
  Bottom Layer w0.2: U18.11@93.147,-41.025 93.147,-43.747 93.475,-44.075 v1(93.475,-44.1) 93.5,-44.1 93.782,-44.382 U18.5@93.782,-46.625
  other v3: 98.325,-52.838
OUT_B7: L20.2 U18.4 U18.12 | length 11.8
  Top Layer w0.2: v1@94.375,-48.125 94.375,-47.975 95.05,-47.3 L20.2@98.375,-47.3
  Bottom Layer w0.2: U18.12@93.782,-41.025 93.782,-43.332 94.417,-43.967 U18.4@94.417,-46.625 94.417,-48.133 v1@94.4,-48.15
  other v1: 94.4,-47.825
  other v3: 98.325,-47.4
OUT_B8: C181.2 C182.2 L31.2 U18.3 U18.13 | length 18.2
  Top Layer w0.2: v1@94.4,-39.55 94.4,-40.95 95.25,-41.8 L31.2@98.375,-41.8 98.775,-41.4 C181.2@100.975,-41.4 C182.2@103.325,-41.4
  Bottom Layer w0.2: v1@94.375,-39.525 94.417,-39.567 U18.13@94.417,-41.025 94.417,-43.167 95.052,-43.802 U18.3@95.052,-46.625
  other v1: 94.425,-39.525
  other v3: 98.325,-41.9
PA13: U1.72 X8.4 | length 52.4
  Top Layer w0.2: v1@36.675,-47.1 37.65,-46.125 42.9,-46.125 44.5,-44.525 U1.72@46.625,-44.525
  Bottom Layer w0.2: X8.4@22.8,-81.41 26.8,-77.41 26.8,-69.45 28.075,-68.175 30.522,-68.175 36.65,-62.047 v1(36.65,-47.2)
PA14: U1.76 X8.3 | length 51.3
  Top Layer w0.2: v1@36.575,-45.775 38.075,-44.275 40.5,-44.275 41,-43.775 43.925,-43.775 44.925,-42.775 U1.76@44.925,-41.325
  Bottom Layer w0.2: X8.3@22.8,-78.87 26.425,-75.245 26.425,-69.3 28,-67.725 30.477,-67.725 35.925,-62.277 35.925,-46.475 v1(36.625,-45.775)
PB3: U1.89 X8.2 | length 58.3
  Top Layer w0.2: v1@24.025,-37.5 v1@24.175,-37.35 ; v1@24.175,-37.275 34.84,-37.275 36.165,-38.6 37.575,-38.6 38.425,-39.45 U1.89@38.425,-41.325
  Bottom Layer w0.2: X8.2@22.8,-76.33 26.075,-73.055 26.075,-61.275 24.025,-59.225 v1@24.025,-37.5
  other v1: 24.025,-37.3
PERI_MISO: D1.2 U1.53 X1.27 | length 48
  Top Layer w0.2: v1@40.85,-51.9 41.075,-51.9 43.2,-54.025 U1.53@46.625,-54.025
  Layer 1 w0.2: X1.27@16,-56.94 17.25,-55.69 20.89,-55.69 21.79,-56.59 36.16,-56.59 v1(40.925,-51.825)
  Bottom Layer w0.2: v1@40.9,-51.825 40.9,-62.675 41.585,-63.36 D1.2@43.325,-63.36
PERI_MOSI: D1.5 U1.54 X1.30 | length 49.4
  Top Layer w0.2: v1@42.8,-51.975 44.35,-53.525 U1.54@46.625,-53.525
  Layer 1 w0.2: X1.30@18.54,-59.48 27.095,-59.48 29.25,-57.325 37.4,-57.325 v1@42.8,-51.925
  Bottom Layer w0.2: v1@43.025,-51.75 41.675,-53.1 41.675,-58.875 42.45,-59.65 49.825,-59.65 50.325,-60.15 D1.5@50.325,-60.82
  other v1: 42.825,-51.95
PERI_SCK: R2.2 U1.52 X1.29 | length 55.8
  Top Layer w0.2: U1.52@46.625,-54.525 51.75,-54.525 53.525,-56.3 53.525,-59.45 ; R2.2@48.55,-59.5 53.475,-59.5 53.525,-59.45 ; v1(53.525,-61.25) 53.525,-59.45
  Layer 2 w0.2: X1.29@16,-59.48 17.27,-60.75 20.575,-60.75 21.075,-61.25 v1(53.525,-61.25)
Power-IN: R3.2 R7.1 U1.33 | length 12.7
  Top Layer w0.2: v1@31.95,-60.55 32.6,-61.2 35.825,-61.2 36.425,-60.6 U1.33@36.425,-56.725
  Bottom Layer w0.2: v1(31.875,-60.4) 31.875,-64.2 R3.2@31.925,-64.25
POWER-ON: VT2.2 X3.2 | length 10.2
  Top Layer w2: VT2.2@132.03,-11.341 132.03,-14.23 133.225,-15.425 X3.2@138.875,-15.425
PTT: C202.2 D3.3 R40.2 U1.37 | length 86.5
  Top Layer w0.2: R40.2@9.525,-18.725 C202.2@11.85,-18.725 12.05,-18.925 12.05,-59.875 12.945,-60.77 19.59,-60.77 23.045,-64.225 37.175,-64.225 38.425,-62.975 U1.37@38.425,-56.725 ; v1(16.675,-20.25) D3.3@18.1,-20.25
  Bottom Layer w0.2: v1(10.75,-18.725) 15.15,-18.725 v1(16.675,-20.25)
PTT_SW1: U1.35 U13.3 U13.4 | length 78.5
  Top Layer w0.2: U13.4@20.275,-17.525 U13.3@17.875,-17.525 17,-17.525 13.225,-21.3 13.225,-55.055 13.86,-55.69 20.09,-55.69 21.075,-56.675 21.075,-60.775 23.75,-63.45 36.3,-63.45 37.425,-62.325 U1.35@37.425,-56.725
PTT_SW2: U1.36 U14.3 U14.4 | length 87.1
  Top Layer w0.2: v1@15.675,-15.075 15.675,-18.178 12.65,-21.203 12.65,-57.25 13.625,-58.225 20.025,-58.225 20.575,-58.775 20.575,-60.9 23.55,-63.875 36.725,-63.875 37.925,-62.675 U1.36@37.925,-56.725 ; v1@15.675,-11.85 16.25,-11.275 U14.3@17.75,-11.275 U14.4@20.15,-11.275
  Bottom Layer w0.2: v1(15.65,-15.1) v1(15.65,-11.875)
PTT_T: R40.1 X6.1 | length 16.1
  Top Layer w0.2: R40.1@9.525,-16.725 9.45,-16.65 9.45,-5.125 10.11,-4.465 X6.1@13.64,-4.465
RHP_OUT: J3.3 R27.1 | length 8.7
  Bottom Layer w0.6: J3.3@53.85,-8.2 55.65,-6.4 57.325,-6.4 58.4,-7.475 R27.1@58.4,-10.475
RX/TX: R39.2 U3.72 X9.8 | length 127.1
  Top Layer w0.2: U3.72@76.525,-55.782 v1@77.507,-55.782
  Layer 1 w0.2: v1(77.55,-55.8) 82.6,-55.8 87.25,-51.15 87.25,-39.275 89.7,-36.825 119.925,-36.825 120.95,-37.85 120.95,-45.65 123.675,-48.375 132.925,-48.375 ; v1@135.038,-34.562 135.038,-34.762 132.925,-36.875 132.925,-48.375 ; X9.8@140.32,-72.115 139.07,-70.865 137.162,-70.865 137.152,-70.875 134.975,-70.875 132.925,-68.825 132.925,-48.375
  Bottom Layer w0.2: R39.2@135.1,-37.275 v1@135.1,-34.65
  other v1: 135.1,-34.625
STM_NRST: C5.2 U1.14 X1.21 X8.1 | length 47.6
  Top Layer w0.2: X1.21@16,-49.344 17.266,-50.61 23.59,-50.61 24.675,-49.525 U1.14@31.225,-49.525
  Bottom Layer w0.2: X1.21@16,-49.344 17.256,-50.6 21.875,-50.6 23,-51.725 23,-53.175 ; C5.2@21.5,-53.25 22.925,-53.25 23,-53.175 ; X8.1@23,-73.6 23,-53.175
SW1: R41.1 U13.1 X6.5 | length 9.6
  Top Layer w0.2: X6.5@13.64,-9.545 13.64,-12.24 14.875,-13.475 17.875,-13.475 U13.1@17.875,-15.625
SW2: R42.1 U14.1 X6.6 | length 12.6
  Top Layer w0.2: X6.6@11.1,-10.529 X6.6@11.1,-10.815 12.35,-9.565 12.35,-8.7 12.775,-8.275 15.975,-8.275 ; v1(15.925,-9.6) 15.925,-8.325 15.975,-8.275 ; U14.1@17.75,-9.375 17.75,-8.275 15.975,-8.275
  Bottom Layer w0.2: v1@15.95,-9.6 R42.1@17.648,-9.6
SWR_BACKW: U1.16 X10.2 | length 141.8
  Top Layer w0.2: v1@25.1,-62.275 22.175,-59.35 22.175,-54.025 25.675,-50.525 U1.16@31.225,-50.525
  Layer 2 w0.2: v1(25.125,-62.075) 25.75,-62.7 25.75,-79.45 28.125,-81.825 122.52,-81.825 123.27,-82.575 126.35,-82.575 127.698,-81.227 X10.2@127.698,-80.8
SWR_FORW: U1.15 X10.3 | length 146.2
  Top Layer w0.2: v1@24,-62.1 23.875,-62.1 21.7,-59.925 21.7,-53.6 25.275,-50.025 U1.15@31.225,-50.025
  Layer 2 w0.2: v1(23.975,-62.15) 25.275,-63.45 25.275,-79.875 27.575,-82.175 122.375,-82.175 123.3,-83.1 128.2,-83.1 130.238,-81.062 X10.3@130.238,-80.8
TCK: U3.16 X2.1 | length 41.2
  Top Layer w0.2: U3.16@56.975,-43.732 58.368,-43.732 v1(59.875,-42.225)
  Bottom Layer w0.2: X2.1@50.105,-75.93 50.105,-68.355 57,-61.46 57,-49.425 59.9,-46.525 v1@59.9,-42.35
TDI: U3.15 X2.9 | length 45.2
  Top Layer w0.2: v1@55.225,-44.775 55.225,-43.9 55.893,-43.232 U3.15@56.975,-43.232
  Layer 2 w0.2: X2.9@39.945,-75.93 X2.9@39.945,-75.68
  Bottom Layer w0.2: X2.9@39.945,-75.93 39.945,-73.905 41.125,-72.725 47.775,-72.725 49.055,-71.445 49.055,-67.92 55.95,-61.025 55.95,-45.45 v1(55.2,-44.7)
TDO: U3.20 X2.3 | length 37.2
  Top Layer w0.2: U3.20@56.975,-45.732 59.143,-45.732 v1(59.175,-45.7)
  Bottom Layer w0.2: X2.3@47.565,-75.93 47.565,-73.925 49.755,-71.735 49.755,-68.21 56.65,-61.315 56.65,-48.175 v1@59.075,-45.75
TMS: U3.18 X2.5 | length 39.9
  Top Layer w0.2: U3.18@56.975,-44.732 58.857,-44.732 v1(58.875,-44.75)
  Bottom Layer w0.2: X2.5@45.025,-75.93 45.025,-74.075 46.025,-73.075 47.92,-73.075 49.405,-71.59 49.405,-68.065 56.3,-61.17 56.3,-47.35 v1@58.875,-44.775
USB_D+: R55.2 U1.71 | length 49.6
  Top Layer w0.2: v1(37.75,-48.025) 37.775,-48.025 39.2,-46.6 43.35,-46.6 44.925,-45.025 U1.71@46.625,-45.025
  Layer 1 w0.2: v1@22.45,-14.925 33.375,-25.85 33.375,-40.325 37.75,-44.7 v1(37.75,-48.025) v1@37.7,-48.025
  other v1: 22.401,-14.876
USB_D-: R56.2 U1.70 | length 47.5
  Top Layer w0.2: v1(39.1,-48.175) 40.325,-46.95 43.85,-46.95 45.275,-45.525 U1.70@46.225,-45.525
  Layer 1 w0.2: v1(24.6,-14.875) 24.6,-16.45 33.725,-25.575 33.725,-40.18 38.1,-44.555 38.1,-47.175 v1(39.1,-48.175)
W25Q16_CS: D1.1 R1.1 U1.51 | length 21
  Top Layer w0.2: U1.51@46.625,-55.025 49.35,-55.025 v1@49.9,-55.575
  Layer 1 w0.2: v1(44.7,-66.325) 44.7,-60.775 v1(49.925,-55.55)
  Bottom Layer w0.2: R1.1@43.325,-67.75 43.325,-66.35 ; D1.1@43.325,-64.63 43.325,-66.35 ; v1@44.775,-66.325 44.75,-66.35 43.325,-66.35
WM8731_ADC_SD: U1.79 U8.6 | length 13.2
  Top Layer w0.2: U8.6@37.85,-32.45 37.85,-33.825 38,-33.975 41.45,-33.975 43.425,-35.95 U1.79@43.425,-41.325
WM8731_BCLK: U1.78 U8.3 | length 14.9
  Top Layer w0.2: U8.3@35.9,-32.45 35.9,-35 36.975,-36.075 v1@39.975,-36.075 ; U1.78@43.925,-41.325 43.925,-39.925 v1@44.475,-39.375
  Layer 1 w0.2: v1(40.275,-36.075) 41.325,-36.075 v1(44.55,-39.3)
WM8731_DAC_SD: U1.80 U8.4 | length 14.3
  Top Layer w0.2: U8.4@36.55,-32.45 36.55,-34.85 37.05,-35.35 41.825,-35.35 42.925,-36.45 U1.80@42.925,-41.325
WM8731_SCK: R34.2 U1.84 U8.24 | length 37.5
  Top Layer w0.2: v1(37.2,-27.075) U8.24@37.2,-25.25 ; v1(38.075,-43.075) 38.875,-43.875 40.15,-43.875 40.925,-43.1 U1.84@40.925,-41.325
  Layer 1 w0.2: v1(31.275,-19.75) 32.85,-21.325 32.85,-22.725 v1(37.2,-27.075)
  Layer 2 w0.2: v1(37.2,-27.075) 37.2,-42.2 v1(38.075,-43.075)
  Bottom Layer w0.2: R34.2@27.525,-21 30.025,-21 v1(31.275,-19.75)
WM8731_SDA: R35.2 U1.87 U8.23 | length 36.2
  Top Layer w0.2: U8.23@37.85,-25.25 v1@37.85,-23.8 ; v1@39.425,-42.9 v1(39.425,-42.85) U1.87@39.425,-41.325
  Layer 1 w0.2: v1(36.775,-21.05) 37.9,-22.175 v1(37.9,-23.575) 39.425,-25.1 39.4,-25.125 39.4,-42.85 v1@39.45,-42.9
  Bottom Layer w0.2: R35.2@27.525,-18.75 32.6,-18.75 34.9,-21.05 v1(36.775,-21.05)
WM8731_WS_LRC: U1.77 U8.5 U8.7 | length 20.5
  Top Layer w0.2: v1@38.2,-34.625 37.575,-34.625 37.2,-34.25 U8.5@37.2,-32.45 37.2,-30.9 37.4,-30.7 38.3,-30.7 38.5,-30.9 U8.7@38.5,-32.45 ; v1(43.127,-43.002) 43.873,-43.002 44.425,-42.45 U1.77@44.425,-41.325
  Layer 2 w0.2: v1(38.4,-34.625) 38.4,-38.275 v1(43.127,-43.002)
pads on no net: C20. C27. C36. C60. C64. C65. C70. C71. C72. C73. C74. C112. C113. C114. C115. C116. C123. C124. C125. C126. C127. C128. C129. C130. C131. C132. C187. C189. C206. D2. D3. DA1. DA2. DA3. DA4. DA5. DA6. DA7. DA8. J1. J1.3 J1.4 J2. J2.3 J2.4 J3. TR4.2 U1. U1.1 U1.48 U1.58 U1.59 U1.63 U1.67 U1.68 U1.69 U1.83 U1.90 U1.91 U1.95 U1.96 U2.28 U3.0 U3.1 U3.2 U3.3 U3.7 U3.10 U3.11 U3.23 U3.24 U3.25 U3.28 U3.30 U3.31 U3.34 U3.70 U3.71 U3.73 U3.88 U3.90 U3.91 U3.94 U3.96 U3.97 U3.126 U3.127 U3.128 U3.129 U3.132 U3.133 U3.137 U3.138 U3.141 U3.142 U3.143 U3.144 U4. U4.6 U4.7 U5. U6. U6.0 U6.3 U6.5 U6.9 U6.10 U6.12 U6.13 U7.3 U7.14 U8. U8.2 U8.12 U8.13 U8.26 U9.0 U9.23 U10. U11.7 U11.10@129.275,-62.3 U11.25 U12.10@127.15,-63.577 U12.25 U13. U14. U15. U16. U17. U18. VT1. VT3. X1.5 X2.6 X2.7 X2.8 X3.13 X4.28 X7.48 Z3.1@53.925,-75
copper on no net:
  other v7: 4.69,-12.645 4.69,-2.645

## Polygon pours and split planes (outlines as drawn)
GND on Layer 2 "Layer 2-No Net" (solid, remove dead copper, shelved, pour order 0): 0,0 144,0 144,-83.65 7.475,-83.65 7.475,-15 7.45,-14.975 0,-14.975
GND on Layer 1 "Layer 1-No Net" (solid, remove dead copper, shelved, pour order 2): 0,0 144,0 144,-83.65 7.65,-83.65 7.5,-83.5 7.5,-15 0,-15
GND on Bottom Layer "Bottom Layer-No Net" (solid, remove dead copper, shelved, pour order 4): 0,0 0,-15 7.5,-15 7.5,-83.75 144,-83.75 144,0
GND on Top Layer "Top Layer-No Net" (solid, remove dead copper, shelved, pour order 6): 0,0 144,0 144,-83.65 7.65,-83.65 7.5,-83.5 7.5,-15 0,-15

## Keep-outs
Keep-Out Layer:
  the board outline again, w0.2

## Other copper
Top Layer:
  rectangle net +8Power: 106.975,-8.025 109.15,-6.025
  rectangle net +POWER: 106.975,-12.425 110.625,-8.75
Bottom Layer:
  rectangle net +3.3V: 27.65,-81.5 33.85,-70.65

## Silkscreen, mask and mechanical layers (free items; w line width, h text height)
Top Overlay:
  drawing of 3251 lines, arcs and shapes, not listed
Top Solder:
  rectangle: 65.025,-47.75 70.525,-42.225
Mechanical 3:
  text "Wolf-Lite" at 81.025,-14.491 h5
  text "UA3REO" at 81.575,-16.55 h2
  text "R7KBI" at 81.575,-18.332 h2
  text "https://t.me/SDR_Radio" at 81.5,-19.9 h2
  text "." at 33.6,-33.65 h5
  text "." at 74.95,-59.375 h5
  text "2" at 141.875,-64.825 h1.52
  text "1" at 135.897,-64.875 h1.52
  text "4" at 141.876,-67.35 h1.52
  text "3" at 135.618,-67.5 h1.52
  text "5" at 135.609,-69.925 h1.52
  text "6" at 141.876,-69.975 h1.52
  text "7" at 135.625,-72.525 h1.52
  text "TX" at 141.876,-72.6 h1.52
  text "TDI" at 40.525,-74.3 h1.52 r90
  text "TMS" at 45.5,-74.35 h1.52 r90
  text "TDO" at 48.19,-74.475 h1.52 r90
  text "TCK" at 50.975,-74.65 h1.52 r90
  text "Power" at 132.475,-75.025 h1.52
  text "NRST" at 17.4,-75.225 h1.52
  text "PB3" at 18.35,-76.95 h1.52
  text "GND" at 138.85,-77.125 h1.52
  text "FORW" at 130.775,-79 h1.52 r90
  text "BACKW" at 128.275,-79.125 h1.52 r90
  text "ALC" at 125.675,-79.15 h1.52 r90
  text "GND" at 133.3,-79.15 h1.52 r90
  text "PA14" at 17.725,-79.3 h1.52
  text "V1.0" at 86.125,-80.425 h4
  text "GND" at 49.1,-81.125 h1.52
  text "3.3V" at 45.925,-81.2 h1.52
  text "GND" at 38.575,-81.25 h1.52
  text "PA13" at 17.95,-81.875 h1.52

## Dimensions
7.5,-83.65 to 0,0 on Size
0,0 to 144,0 on Size